# Altium PCB PCB1.PcbDoc (part 1 of 2)
Units mm, origin at the board's own origin, x right, y up, seen from the top; angles counter-clockwise.
Board outline 80 x 115 mm, 4 copper layers (Signal, GND, GND1, PWRD), stack 1.586 mm thick; 119 components, 94 nets, 461 pads, 181 vias.
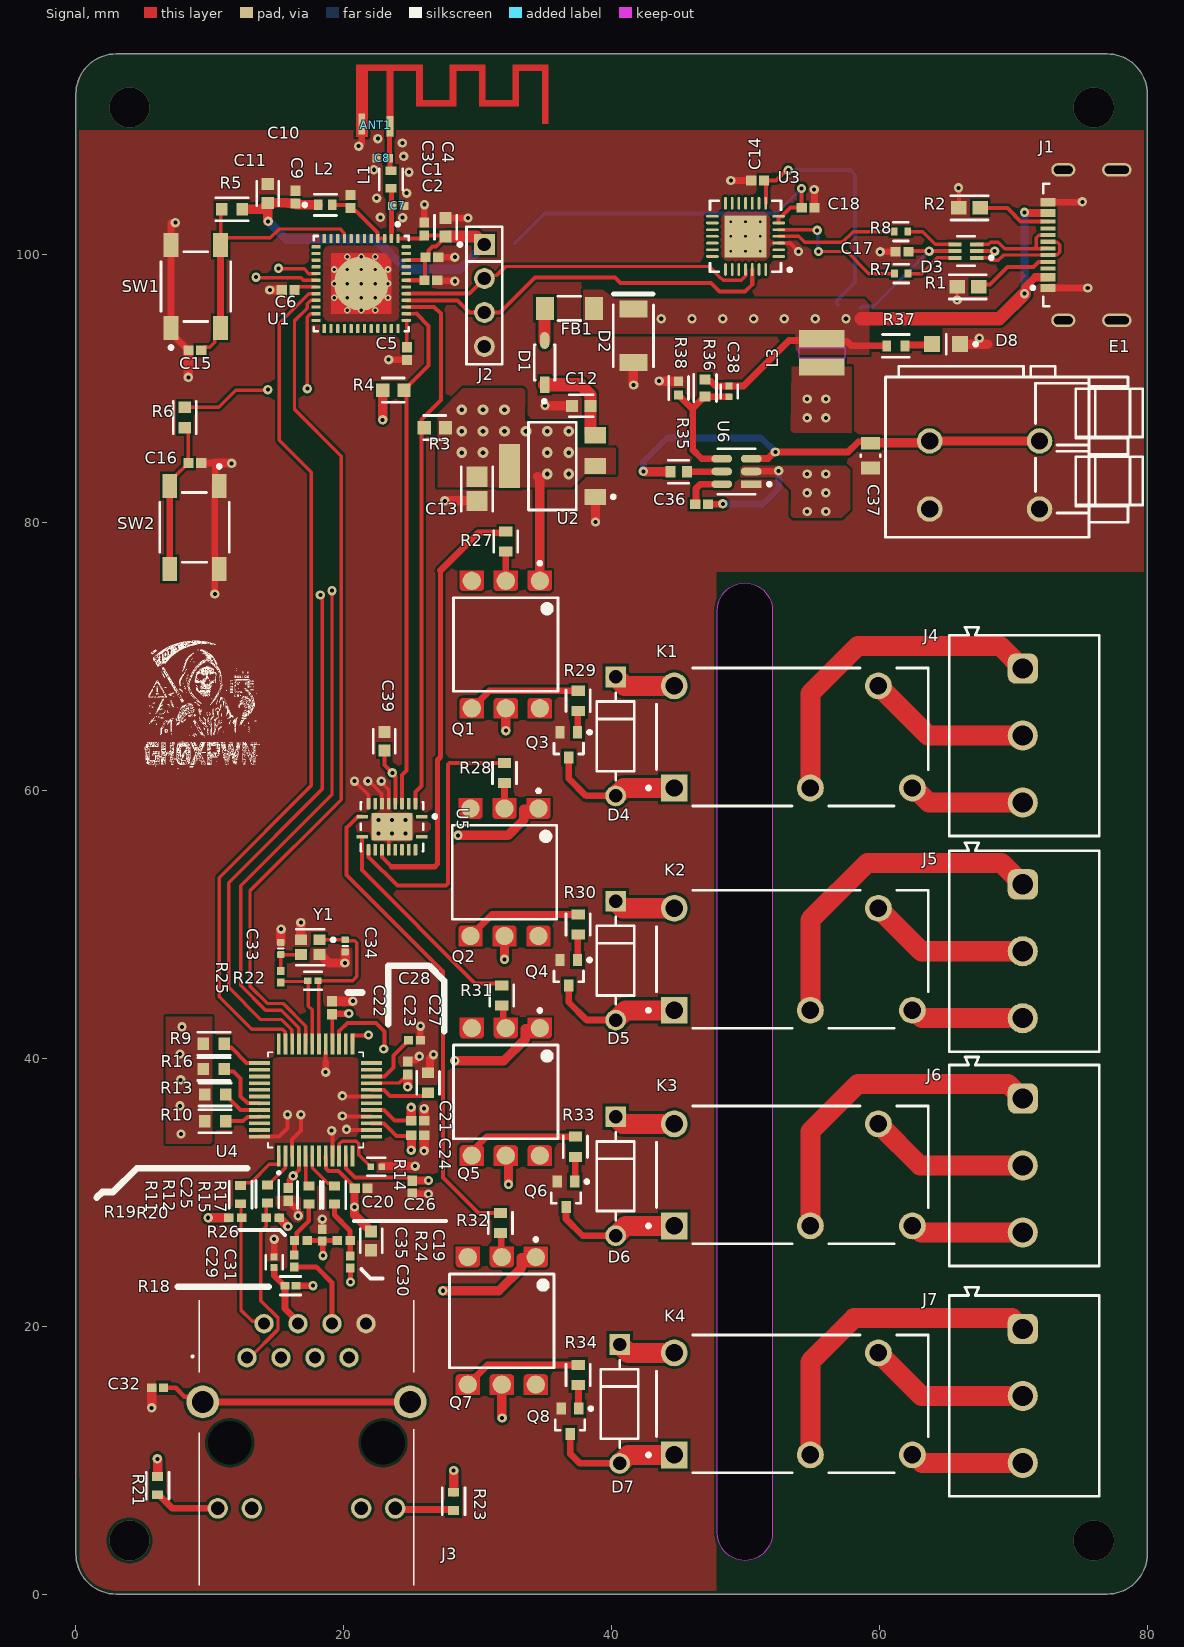
[diagram p0: Signal view]
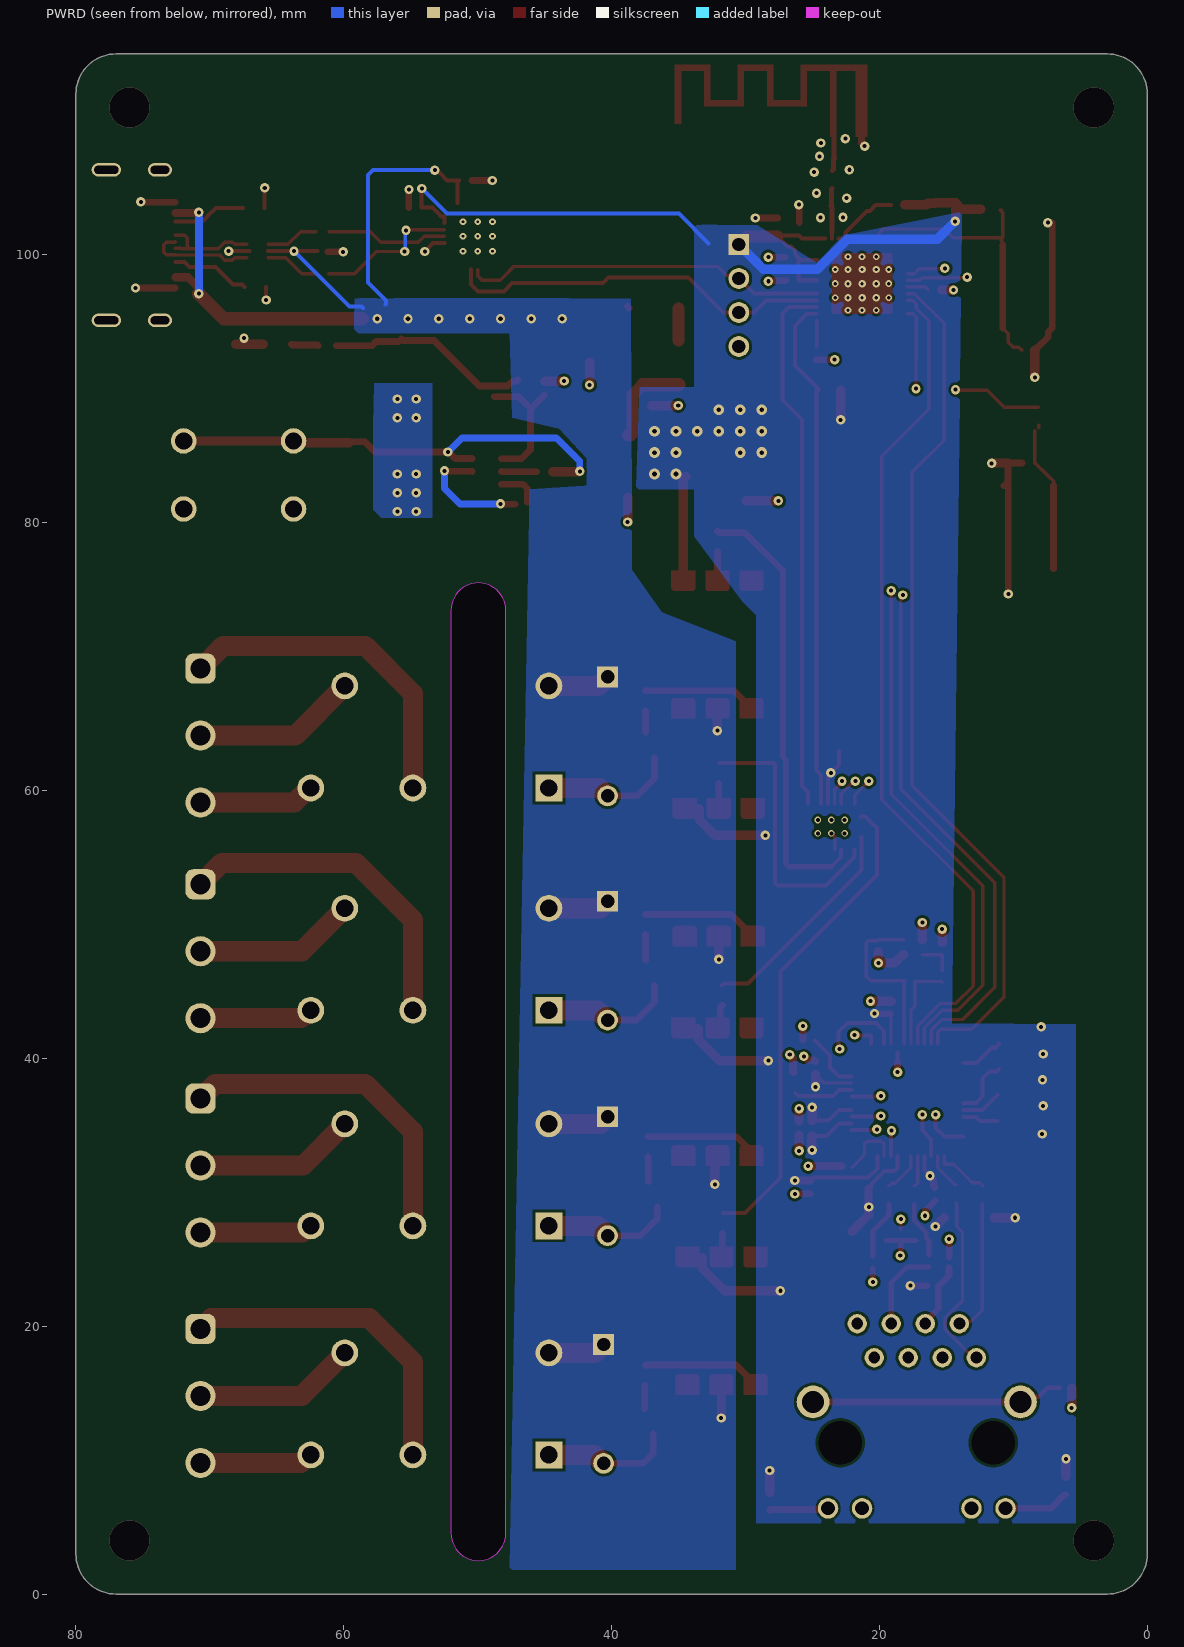
[diagram p1: PWRD view, seen from below]
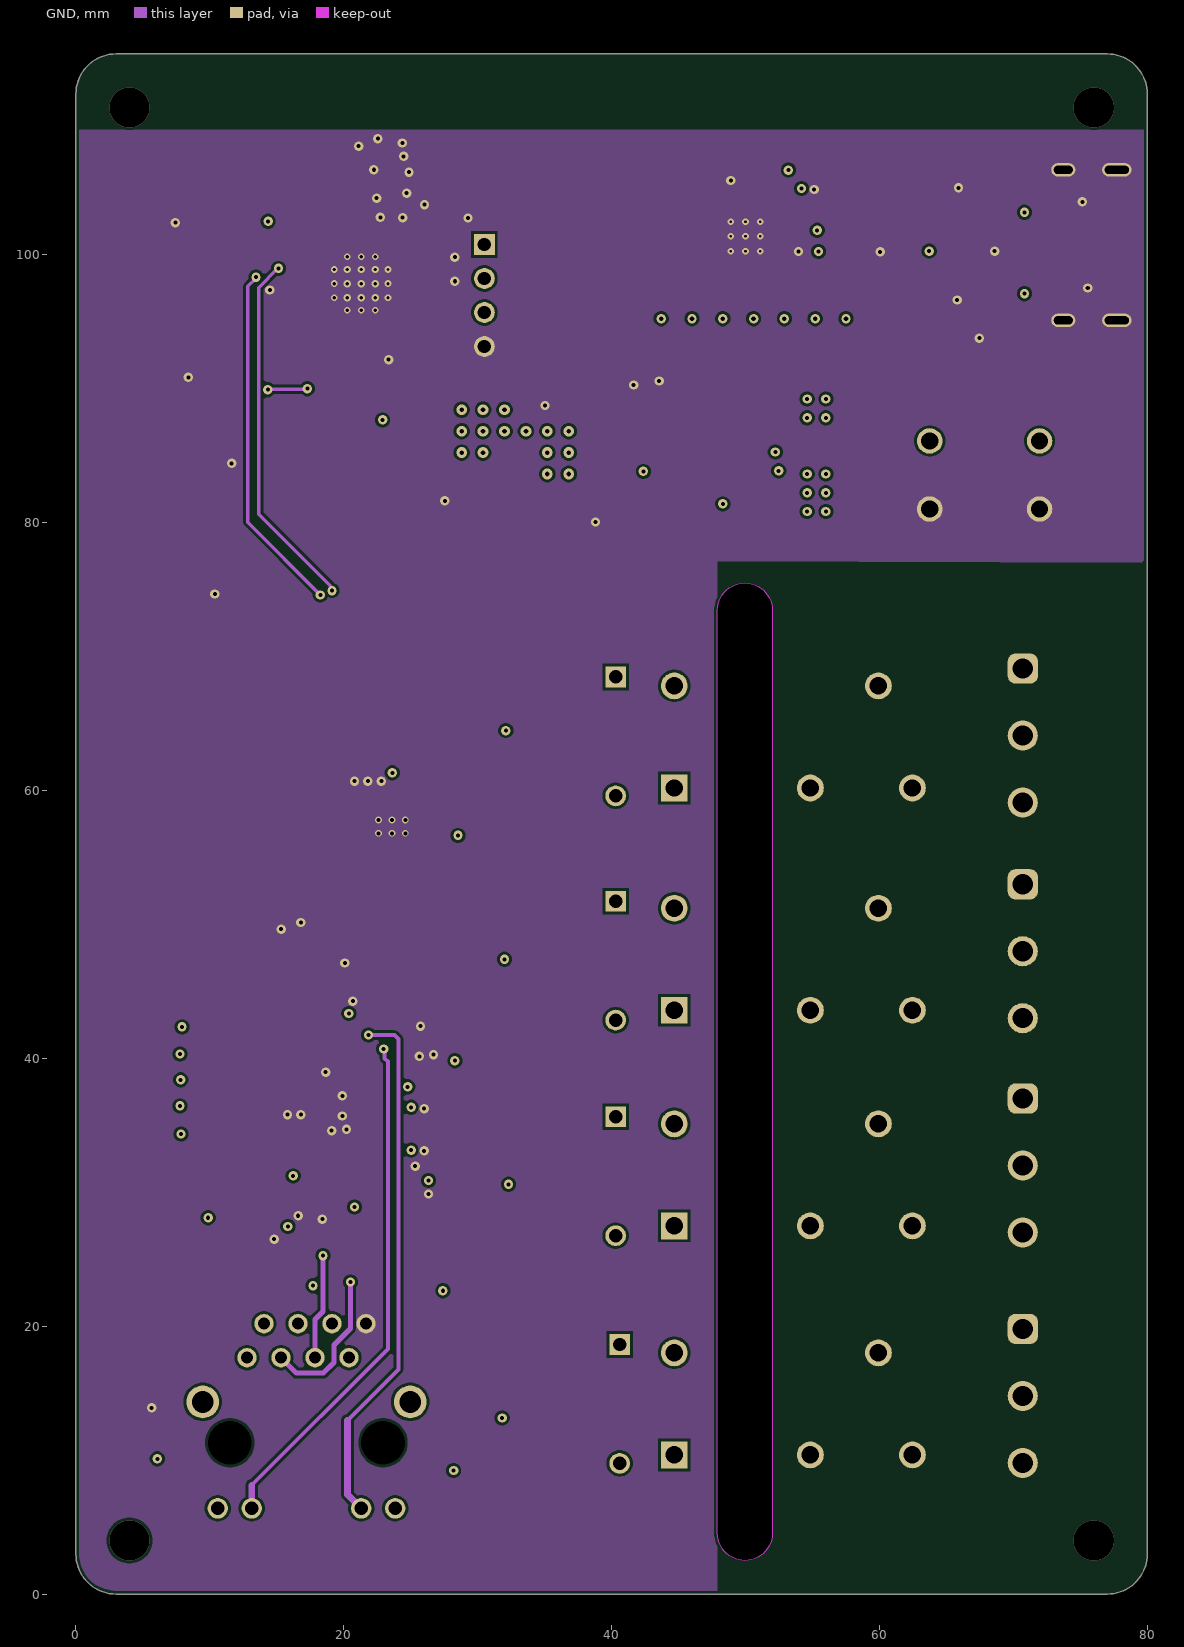
[diagram p2: GND]
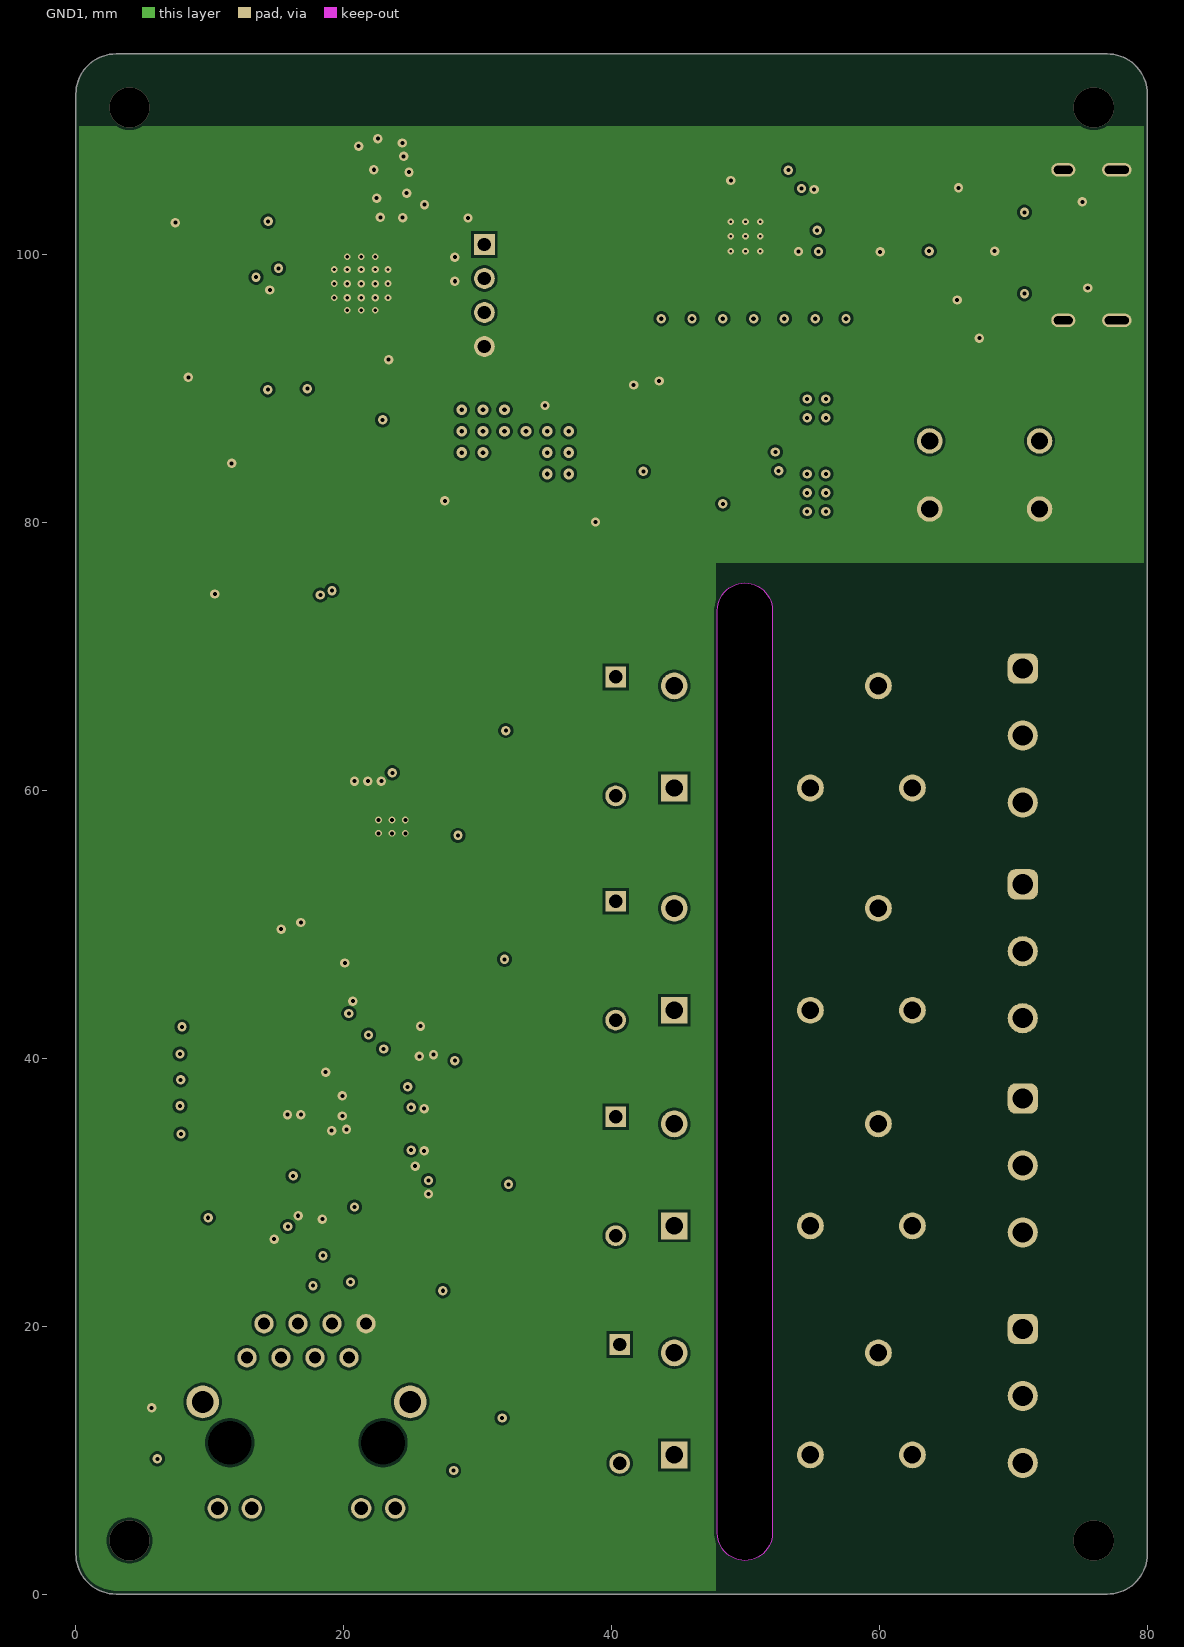
[diagram p3: GND1]
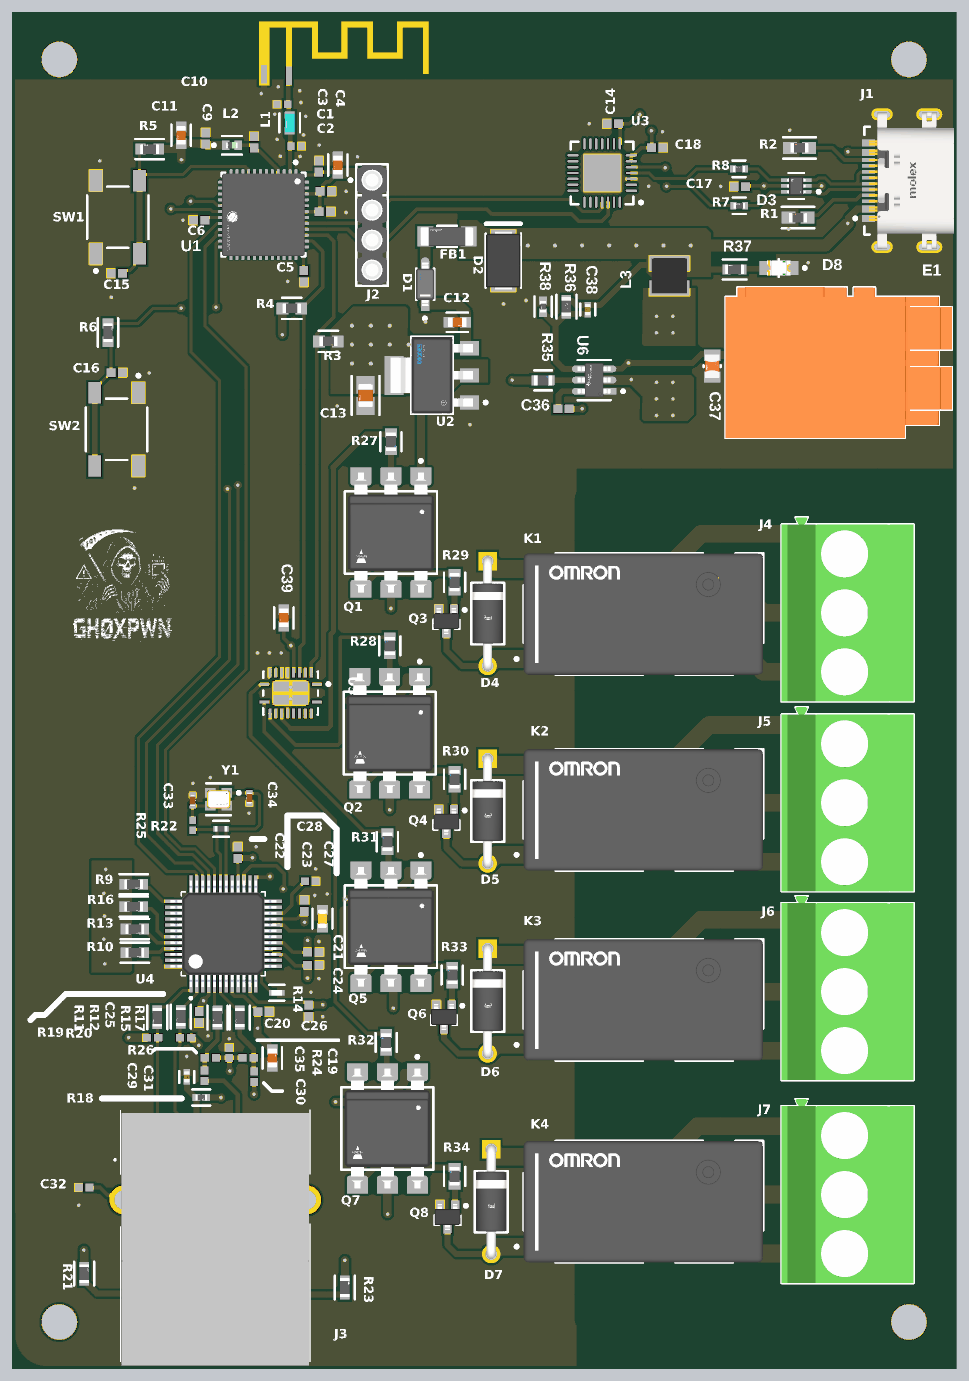
[diagram p5: 3D render of the assembled board from above, using the file's embedded part models]

## Layer stack, top to bottom
Top Solder: solder mask 0.0102, Solder Resist, Dk 3.8
Signal: signal copper 0.035
Dielectric 2: prepreg 0.2104, PP-006, Dk 4.4
GND: signal copper 0.0152
Dielectric 1: dielectric 1.065, FR-4, Dk 4.4
GND1: signal copper 0.0152
Dielectric 3: prepreg 0.2104, PP-006, Dk 4.4
PWRD: signal copper 0.035
Bottom Solder: solder mask 0.0102, Solder Resist, Dk 3.8

## Board outline
0,3 0,112 cw(c3,112) 3,115 77,115 cw(c77,112) 80,112 80,3 cw(c77,3) 77,0 3,0 cw(c3,3)
cut-out: 47.9,4.55 47.9,73.45 cw(c49.95,73.45) 49.95,75.5 cw(c49.95,73.45) 52,73.45 52,4.55 cw(c49.95,4.55) 49.95,2.5 cw(c49.95,4.55)

## Design rules (kind name [scope] priority, off if disabled: settings)
BoardOutlineClearance BoardOutlineClearance_1 [All] p1: gap=0.254 ignorepadtopadclearanceinfootprint=FALSE
BoardOutlineClearance "Board GND" [InNet('GND')] p2 off: gap=2.5 ignorepadtopadclearanceinfootprint=FALSE except(-0.5: Poly-CutoutEdge; 0: Poly-OutlineEdge)
Clearance Clearance_1 [All] p1: gap=0.2 ignorepadtopadclearanceinfootprint=TRUE
DiffPairsRouting [All] p1: maxlimit=0.254 minlimit=0.2 mostfreqgap=0.2 toplayer_minwidth=0.2 toplayer_maxwidth=0.381 toplayer_prefwidth=0.2 midlayer1_minwidth=0.2 midlayer1_maxwidth=0.381 midlayer1_prefwidth=0.2 midlayer2_minwidth=0.2 midlayer2_maxwidth=0.381 midlayer2_prefwidth=0.2 bottomlayer_minwidth=0.2 bottomlayer_maxwidth=0.381 bottomlayer_prefwidth=0.2 maxuncoupledlength=12.7
HoleSize [All] p1: absolutevalues=TRUE maxlimit=3.5 minlimit=0.2 maxpercent=80.000 minpercent=20.000
Length [InNet('No Net')] p1: maxlimit=2540 minlimit=0
MatchedLengths [InDifferentialPair('USB_D')] p1: tolerance=0.6 checknetsindiffpair=FALSE checkdiffpairvsdiffpair=TRUE checkxsignals=TRUE checkothers=TRUE
MinimumSolderMaskSliver [All] p1: minsoldermaskwidth=0.1
PermittedLayers [All] p1: toplayerpermitted=TRUE bottomlayerpermitted=TRUE
PlaneClearance [All] p1: clearance=0.608
PlaneConnect [All] p1: planeconnectstyle=Direct reliefexpansion=0.508 reliefentries=4 reliefconductorwidth=0.254 reliefairgap=0.254
PolygonConnect [All] p1: connectstyle=Direct reliefconductorwidth=0.254 reliefentries=4 polygonreliefangle="90 Angle" airgapwidth=0.254
RoutingVias Holes_mecanic [InNet('GND')] p1: holewidth=0.711 width=1.27 viastyle="Through Hole" minholewidth=0.2 minwidth=0.3 maxholewidth=3 maxwidth=6
RoutingVias [All] p2: holewidth=1.27 width=1.27 viastyle="Through Hole" minholewidth=0.3 minwidth=0.7 maxholewidth=3 maxwidth=4.5
SilkToSolderMaskClearance [IsPad] p1: minsilkscreentomaskgap=0.2 clearancetoexposedcopper=TRUE
SolderMaskExpansion [All] p1: expansion=0.07 istentingtop=FALSE
SupplyNets "Schematic Supply Nets" [InNet('24V')] p1: voltage=0.000
SupplyNets "Schematic Supply Nets_8" [InNet('3V3A')] p2: voltage=0.000
SupplyNets "Schematic Supply Nets_7" [InNet('5V')] p3: voltage=0.000
SupplyNets "Schematic Supply Nets_6" [InNet('3v3')] p4: voltage=0.000
SupplyNets "Schematic Supply Nets_5" [InNet('5VUSB')] p5: voltage=0.000
SupplyNets "Schematic Supply Nets_2" [InNet('GND')] p6: voltage=0.000
Width RF [InNetClass('RF')] p1: maxlimit=1 minlimit=0.254 preferedwidth=0.254 toplayer_minwidth=0.367 toplayer_maxwidth=0.367 toplayer_prefwidth=0.367 impedanceprofiledriven=TRUE impedanceprofileid={490CE6FF-FE2C-440C-A532-FF49CC80B67A} impedanceprofilevalue=50.000000 minimp=50.000000 maximp=50.000000 favimp=50.000000
Width [All] p2: maxlimit=1.5 minlimit=0.254 preferedwidth=0.3
24 further rules are at their usual default settings.

## Classes and differential pairs
net class RF: NetANT1_2 NetC7_2
component class Alimentacion: C36 C37 C38 D8 E1 L3 R35 R36 R37 R38 U6
component class Ethernet: C19 C20 C21 C22 C23 C24 C25 C26 C27 C28 C29 C30 C31 C32 C33 C34 C35 J3 R9 R10 R11 R12 R13 R14 R15 R16 R17 R18 R19 R20 R21 R22 R23 R24 R25 R26 U4 Y1
component class "ESP32 pico v3": C1 C2 C3 C4 C5 C6 C7 C8 C9 C10 C11 C12 C13 C14 C15 C16 C17 C18 D1 D2 D3 FB1 J1 J2 L1 L2 R1 R2 R3 R4 R5 R6 R7 R8 SW1 SW2 U1 U2 U3
component class Contactos: C39 D4 D5 D6 D7 J4 J5 J6 J7 K1 K2 K3 K4 Q1 Q2 Q3 Q4 Q5 Q6 Q7 Q8 R27 R28 R29 R30 R31 R32 R33 R34 U5
differential pair USB_D: +USB_D_P -USB_D_N
differential pair TX: +TX_P -TX_N
differential pair RX: +RX_P -RX_N
differential pair D: +D_P -D_N

## Components (designator, comment, footprint, x,y, rotation, side; value= is the part's Value field where it differs from the comment)
ANT1 "" "Antena 2.4Ghz" 21.35,108.81 r0 top
C1 "C0402C104M9RACTU" CAPC1005X60X30ML05T10 26.575,99.825 r180 top value=0.1uF
C2 "C0402C104M9RACTU" CAPC1005X60X30ML05T10 26.5,98.1 r180 top value=0.1uF
C3 "C0402C104M9RACTU" CAPC1005X60X30ML05T10 26,101.92 r270 top value=0.1uF
C4 "CC0603KRX5R7BB106" FP-CC0603-DC-MFG 27.6,102.05 r90 top
C5 "C0402C104M9RACTU" CAPC1005X60X30ML05T10 24.725,92.62 r90 top
C6 "C0402C104M9RACTU" CAPC1005X60X30ML05T10 15.85,97.375 r0 top
C7 "CAP 2.7pF 50V 0402(1005)" CAPC0402(1005)60_N 24.075,103.65 r180 top value=2.7pF
C8 "CAP 2.7pF 50V 0402(1005)" CAPC0402(1005)60_N 22.9,107.2 r0 top value=2.7pF
C9 "C0402C104M9RACTU" CAPC1005X60X30ML05T10 16.4,104.3 r270 top
C10 "C0402C104M9RACTU" CAPC1005X60X30ML05T10 20.5,103.98 r270 top
C11 "CC0603KRX5R7BB106" FP-CC0603-DC-MFG 14.325,104.575 r90 top
C12 "CC0603KRX5R7BB106" FP-CC0603-DC-MFG 37.725,88.725 r180 top
C13 "C0805C226M8PACTU" FP-C0805C226M8PACTU-IPC_A 29.95,82.525 r270 top
C14 "C0402C104M9RACTU" CAPC1005X60X30ML05T10 50.9,105.55 r180 top
C15 "C0402C104M9RACTU" CAPC1005X60X30ML05T10 8.88,92.875 r0 top
C16 "C0402C104M9RACTU" CAPC1005X60X30ML05T10 8.875,84.45 r180 top
C17 "C0402C104M9RACTU" CAPC1005X60X30ML05T10 61.675,100.225 r0 top
C18 "C0402C104M9RACTU" CAPC1005X60X30ML05T10 54.67,103.525 r180 top
C19 "CC0603KRX5R7BB106" FP-CC0603-DC-MFG 22.05,26.375 r270 top
C20 "C0402C104M9RACTU" CAPC1005X60X30ML05T10 21.3,30.3 r180 top value=0.1uF
C21 "C0402C104M9RACTU" CAPC1005X60X30ML05T10 25.525,35.35 r180 top value=0.1uF
C22 "C0402C104M9RACTU" CAPC1005X60X30ML05T10 19.125,43.78 r270 top value=0.1uF
C23 "C0402C104M9RACTU" CAPC1005X60X30ML05T10 24.775,39.275 r270 top value=0.1uF
C24 "C0402C104M9RACTU" CAPC1005X60X30ML05T10 25.525,34.25 r180 top value=0.1uF
C25 "C0402C104M9RACTU" CAPC1005X60X30ML05T10 15.85,29.85 r90 top value=0.1uF
C26 "C0402C104M9RACTU" CAPC1005X60X30ML05T10 25.125,30.38 r90 top value=0.1uF
C27 "CC0603KRX5R8BB475" FP-CC0603-DA-MFG 26.3,38.175 r90 top value="4.7 uF"
C28 "VJ0402Y103MXXAC" CAPC1005X60X26NL10T16 25.275,41.35 r0 top value=10nF
C29 "C0402C223K4RAC7411" FP-C0402-BB-MFG 14.8,24.775 r90 top value=22nF
C30 "VJ0402Y682KXXAC" CAPC1005X60X26NL10T16 20.5,24.8 r270 top value=6.8nF
C31 "VJ0402Y682KXXAC" CAPC1005X60X26NL10T16 16.3,24.875 r270 top value=6.8nF
C32 "VJ0402Y103MXXAC" CAPC1005X60X26NL10T16 6.1,15.4 r0 top value=10nF
C33 "Capacitor 12pF +/-10% 50V 0402" CAPC0402(1005)33_L 15.3,48.2 r270 top value=12pF
C34 "Capacitor 12pF +/-10% 50V 0402" CAPC0402(1005)33_L 20.1,48.4 r90 top value=12pF
C35 "VJ0402Y103MXXAC" CAPC1005X60X26NL10T16 18.4,26.8 r270 top value=10nF
C36 "C0402C104M9RACTU" CAPC1005X60X30ML05T10 46.725,81.375 r180 top value=0.1uF
C37 "CC0805KKX5R9BB475" FP-CC0805-0_85-MFG 59.325,85 r270 top value="4.7 uF"
C38 "C0402C680J5HACTU" FP-C0402-BB-MFG 48.775,89.8 r270 top value="68 pF"
C39 "CC0603KRX5R7BB106" FP-CC0603-DC-MFG 23.025,63.675 r90 top
D1 "1N5819HW-7-F" FP-SOD123-IPC_B 35,91.95 r90 top
D2 "SMAJ5.0A" BOUR-SMA-2_V 41.625,93.95 r90 top
D3 "USBLC6-2P6" FP-SOT-666-MFG 66.45,100.275 r180 top
D4 "1N4007" FP-1N4007-MFG 40.3,64.04 r270 top value=15pF
D5 "1N4007" FP-1N4007-MFG 40.3,47.3 r270 top value=15pF
D6 "1N4007" FP-1N4007-MFG 40.3,31.2 r270 top value=15pF
D7 "1N4007" FP-1N4007-MFG 40.6,14.2 r270 top value=15pF
D8 "SML-LX0805UWC-TR" FP-SML-LX0805UWC-TR-MFG 64.975,93.325 r180 top
E1 "1330710000" LMF_5_08_90_02 69.5,84.9 r90 top
FB1 "BLM41PG750SZ1L" FP-BLM41-0_2-a1_2-IPC_C 36.85,96 r180 top
J1 "216990-0002" FP-216990-0002-MFG 76.575,100.725 r90 top
J2 "315-43-104-41-003000" FP-315-43-104-41-003000-MFG 30.5,96.96 r270 top
J3 "HR911105A" HR911105A 12.77,17.65 r180 top locked
J4 "691253710003" 691253710003 70.8,64.1 r270 top
J5 "691253710003" 691253710003 70.8,48 r270 top
J6 "691253710003" 691253710003 70.8,32 r270 top
J7 "691253710003" 691253710003 70.8,14.8 r270 top
K1 "G5Q-14-EU DC5" FP-G5Q-14-EU_DC5-MFG 53.5,64 r0 top
K2 "G5Q-14-EU DC5" FP-G5Q-14-EU_DC5-MFG 53.5,47.4 r0 top
K3 "G5Q-14-EU DC5" FP-G5Q-14-EU_DC5-MFG 53.5,31.3 r0 top
K4 "G5Q-14-EU DC5" FP-G5Q-14-EU_DC5-MFG 53.5,14.2 r0 top
L1 "LQW18AN2N2D1ZD" FP-LQW18AN_10-MFG 23.525,105.625 r270 top value=2.2nH